# Altium PCB PCB1.PcbDoc
Units mm, origin at the board's own origin, x right, y up, seen from the top; angles counter-clockwise.
Board outline 20 x 51.12 mm, 2 copper layers (Top Layer, Bottom Layer); 35 components, 50 nets, 168 pads, 41 vias.
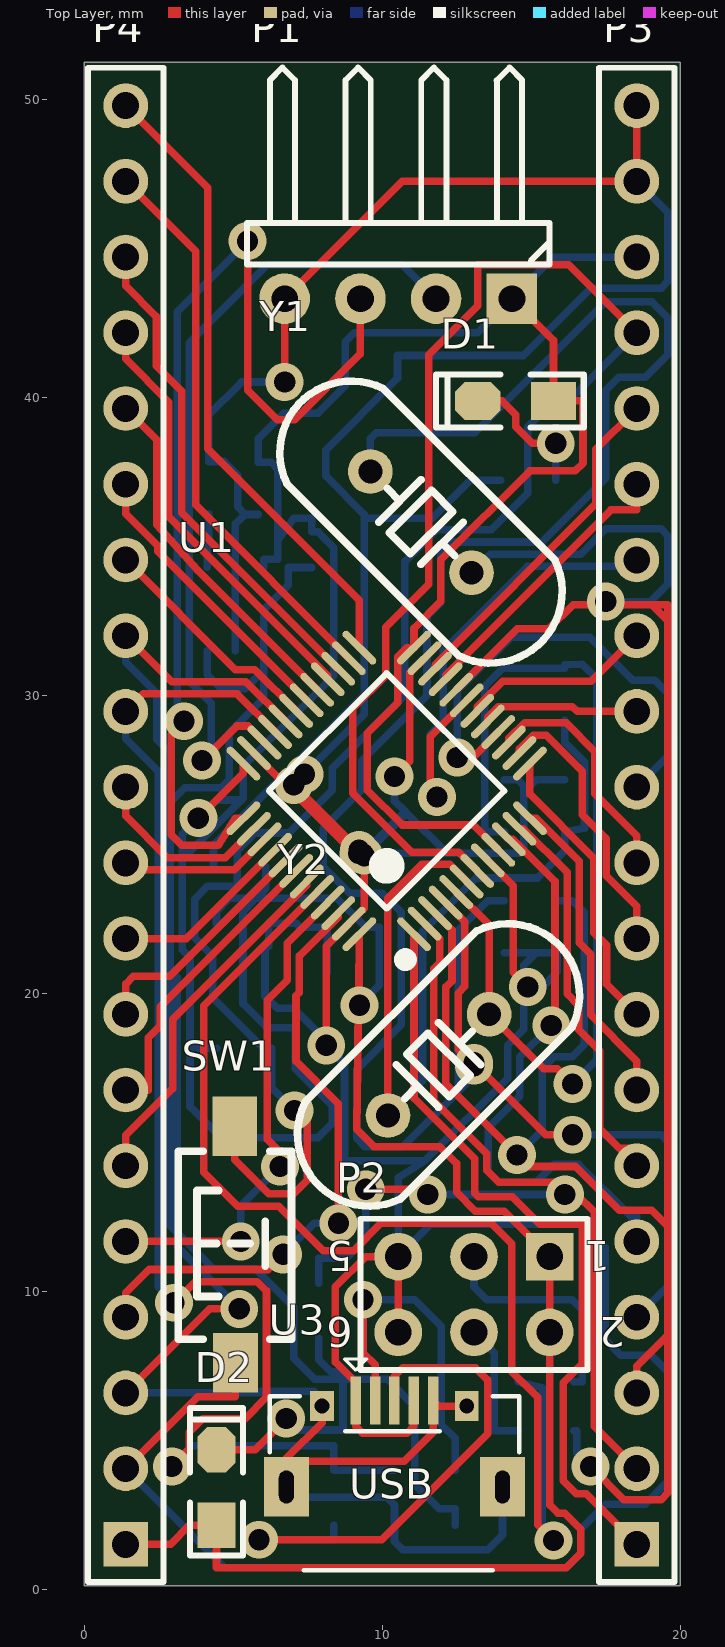
[diagram p0: Top Layer view]
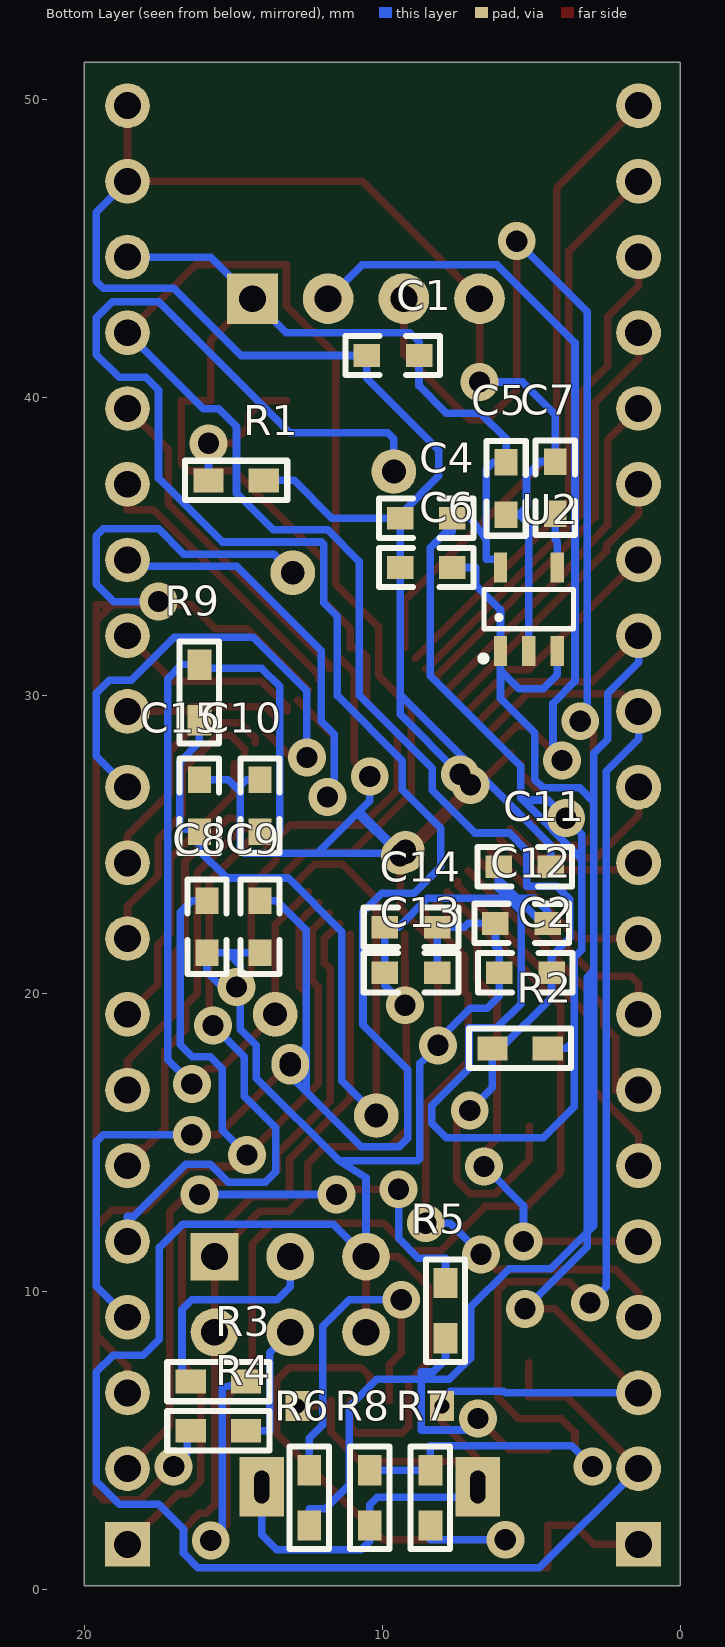
[diagram p1: Bottom Layer view, seen from below]

## Layer stack, top to bottom
Top Solder: solder mask 0.0102, Solder Resist, Dk 3.5
Top Layer: signal copper 0.0356
Dielectric 1: dielectric 0.32, FR-4, Dk 4.8
Bottom Layer: signal copper 0.0356
Bottom Solder: solder mask 0.0102, Solder Resist, Dk 3.5

## Board outline
0,0.127 20,0.127 20,51.247 0,51.247

## Design rules (kind name [scope] priority, off if disabled: settings)
Clearance [All] p1: gap=0.152 ignorepadtopadclearanceinfootprint=FALSE
HoleToHoleClearance [All] p1: gap=0.152 allowstackedmicrovias=TRUE
MinimumSolderMaskSliver [All] p1: minsoldermaskwidth=0
PolygonConnect [All] p1: connectstyle=Relief reliefconductorwidth=0.254 reliefentries=4 polygonreliefangle="90 Angle" airgapwidth=0.254
RoutingVias [All] p1: holewidth=0.711 width=1.27 viastyle="Through Hole" minholewidth=0.711 minwidth=1.27 maxholewidth=0.711 maxwidth=1.27
SilkToSilkClearance [All] p1: silktosilkclearance=0
SilkToSolderMaskClearance [IsPad] p1: minsilkscreentomaskgap=0 clearancetoexposedcopper=TRUE
SolderMaskExpansion [All] p1: expansion=0.102
Width [All] p1: maxlimit=0.254 minlimit=0.254 preferedwidth=0.254
26 further rules are at their usual default settings.

## Components (designator, comment, footprint, x,y, rotation, side; value= is the part's Value field where it differs from the comment)
C1 "105 C0603" "C 0603" 9.627,41.402 r180 bottom value=104
C2 "105 C0603" "C 0603" 5.182,20.701 r180 bottom value=104
C4 "105 C0603" "C 0603" 8.509,35.941 r180 bottom value=104
C5 "105 C0603" "C 0603" 5.842,36.957 r90 bottom value=104
C6 "105 C0603" "C 0603" 8.509,34.29 r180 bottom value=104
C7 "105 C0603" "C 0603" 4.191,36.957 r270 bottom value=104
C8 "22P,0603" "C 0603" 15.875,22.225 r270 bottom value=104
C9 "22P,0603" "C 0603" 14.097,22.225 r270 bottom value=104
C10 "22P,0603" "C 0603" 14.097,26.314 r90 bottom value=104
C11 "105 C0603" "C 0603" 5.232,24.257 r0 bottom value=104
C12 "105 C0603" "C 0603" 5.309,22.352 r180 bottom value=104
C13 "105 C0603" "C 0603" 9.042,20.701 r0 bottom value=104
C14 "105 C0603" "C 0603" 9.042,22.225 r0 bottom value=104
C15 "22P,0603" "C 0603" 16.129,26.314 r90 bottom value=104
D1 "LED" "LED 0805G" 14.478,39.878 r180 top
D2 "LED" "LED 0805G" 4.445,3.429 r90 top
P1 "SWD" HDR-1X4_H 14.351,43.307 r180 top
P2 "Header 3X2" HDR-3X2 15.621,11.176 r180 top
P3 "Header 20" HDR1X20 18.542,1.524 r90 top locked
P4 "Header 20" HDR1X20 1.397,1.524 r90 top locked
R1 "10K R0603" "R 0603" 14.897,37.211 r180 bottom
R2 "10K R0603" "R 0603" 5.372,18.161 r180 bottom
R3 "10K R0603" "R 0603" 15.494,6.985 r0 bottom
R4 "10K R0603" "R 0603" 15.494,5.334 r0 bottom
R5 "10K R0603" "R 0603" 7.874,9.36 r90 bottom
R6 "20R,0603" "R 0603" 12.446,3.086 r270 bottom
R7 "20R0603" "R 0603" 8.382,3.086 r90 bottom
R8 "4.7K,0603" "R 0603" 10.414,3.086 r90 bottom
R9 "1M0603" "R 0603" 16.129,30.099 r90 bottom
SW1 "SW-PB_V" "TSW SMD-3*6*2.5" 5.06,11.616 r90 top
U1 "stm32f103c8t6_48pin" "TQFP48 7x7_L" 10.153,26.797 r45 top
U2 "RT9193" SOT23-5L 5.08,32.893 r180 bottom
U3 "USB-mrico" USB-micro_B 10.414,3.45 r0 top
Y1 "32.768K" "XTAL-49S DIP" 11.303,35.814 r315 top
Y2 "8M" "XTAL-49S DIP" 11.892,17.607 r45 top

## Footprints (in the part's own frame and the unit in brackets; to place one, negate y for a bottom-side part, rotate by r counter-clockwise, add the part's x,y. Pads: shape width x height; smd on the part's side, far side on the other; paste and mask are expansions set on the pad)
"C 0603" [mil] "无极性贴片电容"
  rect 35x30 smd: 1(-35,0) 2(34,0)
  silkscreen extent -63,-26 62,26, body extent -31,-16 31,16, height 32
HDR1X20 [mm] "Connector; Header; 20 Position"
  rect 1.5x1.5 hole 0.9: 1(0,0)
  round 1.5 hole 0.9: 2(2.54,0) 3(5.08,0) 4(7.62,0) 5(10.16,0) 6(12.7,0) 7(15.24,0) 8(17.78,0) 9(20.32,0) 10(22.86,0) 11(25.4,0) 12(27.94,0) 13(30.48,0) 14(33.02,0) 15(35.56,0) 16(38.1,0) 17(40.64,0) 18(43.18,0) 19(45.72,0) 20(48.26,0)
  silkscreen extent -1.27,-1.27 49.53,1.27
HDR-1X4_H [mm] "弯脚排针，4脚"
  rect 1.7x1.7 hole 0.9: 1(0,0)
  round 1.7 hole 0.9: 2(2.54,0) 3(5.08,0) 4(7.62,0)
  silkscreen extent -1.27,-7.76 8.89,-1.14, body extent -1.27,-7.77 8.89,1.27, height 4.85
HDR-3X2 [mm] "双排排针，3x2脚"
  rect 1.6x1.6 hole 0.9: 1(0,0)
  round 1.6 hole 0.9: 2(0,2.54) 3(2.54,0) 4(2.54,2.54) 5(5.08,0) 6(5.08,2.54)
  silkscreen extent -1.27,-1.27 6.35,3.81, body extent -1.27,-1.27 6.35,3.81, height 8.5
"LED 0805G" [mil] "绿色0805LED"
  rect 60x50 smd: 1(-50,0)
  oct 60x50 smd: 2(50,0)
  silkscreen extent -90,-35 105,35, body extent -39,-25 39,25, height 32
"R 0603" [mil] "1/10W贴片电阻"
  rect 40x31.5 smd: 1(-36.5,0) 2(36.5,0)
  silkscreen extent -68,-26 68,26, body extent -31,-16 31,16, height 16
SOT23-5L [mm] "3x1.6x1.1mm(长宽高)"
  rect 0.45x1 smd: 1(-0.95,-1.4) 2(0,-1.4) 3(0.95,-1.4) 4(0.95,1.4) 5(-0.95,1.4)
  silkscreen extent -1.6,-1.73 1.5,0.66, body extent -1.5,-1.4 1.5,1.4, height 1.15
"TQFP48 7x7_L" [mm] "48脚，体宽：7x7mm, 脚距：0.5mm"
  oval 0.25x1.5 smd: 1(-2.75,-4.046) 2(-2.25,-4.046) 3(-1.75,-4.046) 4(-1.25,-4.046) 5(-0.75,-4.046) 6(-0.25,-4.046) 7(0.25,-4.046) 8(0.75,-4.046) 9(1.25,-4.046) 10(1.75,-4.046) 11(2.25,-4.046) 12(2.75,-4.046) 25(2.75,4.046) 26(2.25,4.046) 27(1.75,4.046) 28(1.25,4.046) 29(0.75,4.046) 30(0.25,4.046) 31(-0.25,4.046) 32(-0.75,4.046) 33(-1.25,4.046) 34(-1.75,4.046) 35(-2.25,4.046) 36(-2.75,4.046)
  oval 1.5x0.25 smd: 13(4.046,-2.75) 14(4.046,-2.25) 15(4.046,-1.75) 16(4.046,-1.25) 17(4.046,-0.75) 18(4.046,-0.25) 19(4.046,0.25) 20(4.046,0.75) 21(4.046,1.25) 22(4.046,1.75) 23(4.046,2.25) 24(4.046,2.75) 37(-4.046,2.75) 38(-4.046,2.25) 39(-4.046,1.75) 40(-4.046,1.25) 41(-4.046,0.75) 42(-4.046,0.25) 43(-4.046,-0.25) 44(-4.046,-0.75) 45(-4.046,-1.25) 46(-4.046,-1.75) 47(-4.046,-2.25) 48(-4.046,-2.75)
  silkscreen extent -3.68,-4.57 2.79,2.79, body extent -4.5,-4.5 4.5,4.5, height 1.05
"TSW SMD-3*6*2.5" [mm] "3*6*2.5mm"
  rect 2x1.5 smd: 1(-3.996,-0.02) 2(3.937,0)
  silkscreen extent -3.21,-1.9 3.09,1.9, body extent -4,-1.88 4,1.62, height 2.59
USB-micro_B [mm] "micro型USB ，5.7*7.8*2.5mm"
  rect 0.35x1.6 smd: 1(-1.3,2.9) 2(-0.65,2.9) 3(0,2.9) 4(0.65,2.9) 5(1.3,2.9)
  rect 1.5x2 hole 0.5 slot 1.1 at 90 deg: 5(-3.625,0) 5(3.625,0)
  rect 0.8x1 hole 0.5: 5(-2.425,2.71) 5(2.425,2.71)
  silkscreen extent -4.19,-2.79 4.19,4.3, body extent -4,-2.71 4,2.89, height 2.8
"XTAL-49S DIP" [mm]
  round 1.5 hole 0.8: 1(-2.4,0) 2(2.4,0)
  silkscreen extent -5.7,-2.28 5.7,2.28, body extent -5.68,-2.35 5.68,2.3, height 3.5

## Part data
C1 C2 C4 C5 C6 C7 C11 C12 C13 C14: library part Cap, LatestRevisionDate=17-Jul-2002, LatestRevisionNote="Re-released for DXP Platform.", Published=8-Jun-2000, Publisher="Altium Limited"
C8 C9 C10 C15: library part Cap, "Capacitor", LatestRevisionDate=17-Jul-2002, LatestRevisionNote="Re-released for DXP Platform.", Published=8-Jun-2000, Publisher="Altium Limited"
P1: library part "Header 4", "Header, 4-Pin", LatestRevisionDate=17-Jul-2002, LatestRevisionNote="Re-released for DXP Platform.", Publisher="Altium Limited"
P2: "Header, 3-Pin, Dual row", LatestRevisionDate=17-Jul-2002, LatestRevisionNote="Re-released for DXP Platform.", Publisher="Altium Limited"
P3 P4: "Header, 20-Pin", LatestRevisionDate=17-Jul-2002, LatestRevisionNote="Re-released for DXP Platform.", Publisher="Altium Limited"
R1 R2 R3 R4 R5: library part Res2, LatestRevisionDate=17-Jul-2002, LatestRevisionNote="Re-released for DXP Platform.", Published=8-Jun-2000, Publisher="Altium Limited"
R6 R7 R8 R9: library part Res2, "Resistor", LatestRevisionDate=17-Jul-2002, LatestRevisionNote="Re-released for DXP Platform.", Published=8-Jun-2000, Publisher="Altium Limited"
U2: library part RT9193X_5P, ICA_MFR_NAME=RICHTEK, ICA_PARTNUM=$$2191094$$RT9193-15CU5, Part Number=TMP-13
U3: library part usb-STM
Y1 Y2: library part XTAL, "Crystal Oscillator", LatestRevisionDate=17-Jul-2002, LatestRevisionNote="Re-released for DXP Platform.", Published=8-Jun-2000, Publisher="Altium Limited"

## Via types
v1: diameter 1.27, hole 0.711, Top Layer to Bottom Layer, 41 vias

## Nets (pads, with @x,y where several pads share a name; then routed paths per layer and width w, separated by ;. In a path a pad name is that pad's centre, name@x,y a point inside that pad or via, vN(x,y) a via of type N, cw(c..) or ccw(c..) an arc to the next point about the centre after c; other vN are vias at no path point)
5V: C6.2 P4.3 R8.1 U2.1 U2.3 U3.5 | length 65.9
  Top Layer w0.254: P4.3 4.216,9.423 v1(5.207,9.423) ; U3.5@6.789,3.45 U3.5@6.789,4.318 ; U3.5@7.989,6.16 7.989,5.611 6.789,4.411 U3.5@6.789,4.318 ; U3.5@12.839,6.16 11.904,6.16 11.714,6.35 11.714,5.283 10.749,4.318 U3.5@6.789,4.318
  Bottom Layer w0.254: P4.3 5.887,6.604 5.938,6.655 7.716,6.655 7.716,6.16 U3.5@7.989,6.16 ; U2.3 4.13,30.693 4.597,30.226 5.41,30.226 6.03,30.846 ; v1(5.207,9.423) 3.124,11.506 3.124,20.549 2.896,20.777 2.896,26.416 3.378,26.899 4.597,26.899 4.877,27.178 4.877,28.745 6.03,29.899 6.03,30.846 ; U3.5@6.789,3.45 6.789,3.099 10.16,3.099 10.414,2.845 R8.1 10.414,1.626 10.693,1.346 13.538,1.346 14.039,1.847 U3.5@14.039,3.45 ; C6.2 6.858,34.29 6.858,33.696 6.03,32.868 U2.1 6.03,30.846
BOOT0: R3.1 U1.44 | length 39.7
  Top Layer w0.254: U1.44 4.013,19.597 4.013,14.007 5.151,12.87 6.535,12.87 8.026,11.379 9.042,11.379 9.953,12.29 13.669,12.29 14.351,11.608 14.351,7.315 15.215,6.452 15.215,2.184 v1(15.748,1.651)
  Bottom Layer w0.254: R3.1 15.367,6.782 15.367,2.032 v1(15.748,1.651)
BOOT1: R4.2 U1.20 | length 42.4
  Top Layer w0.254: U1.20 14.528,32.233 15.596,32.233 16.408,33.045 19.05,33.045 19.583,32.512 19.583,3.251 19.355,3.023 18.11,3.023 v1(16.993,4.14)
  Bottom Layer w0.254: R4.2 16.535,5.334 16.535,4.597 v1(16.993,4.14)
GND: C1.1 C2.1 C4.1 C5.1 C6.1 C7.1 C8.2 C9.2 C10.2 C11.1 C12.1 C13.1 C14.1 C15.2 P1.4 P2.5 P2.6 P3.19 P3.20 P4.2 R1.2 SW1.1 U1.8 U1.23 U1.35 U1.47 U2.2 U3.1 U3.4 | length 209.3
  Top Layer w0.254: P4.2 3.81,6.477 5.08,6.477 SW1.1 ; U1.35 8.952,24.816 v1@9.093,24.816 ; v1(6.731,40.513) P1.4 10.668,47.244 P3.19 P3.20 ; v1(7.036,27) v1@7.391,26.645 ; v1(7.391,27.356) v1@7.391,26.645 ; v1(8.128,18.263) 8.128,18.415 8.128,21.59 U1.47 9.398,22.86 v1(9.398,24.625) ; v1(9.207,24.701) v1@9.093,24.816 ; v1(9.347,24.689) v1(9.22,24.816) ; v1(10.414,27.28) 10.93,27.796 10.93,30.756 U1.23 ; P2.6 P2.5 9.449,11.176 8.433,10.16 8.433,7.641 9.114,6.96 U3.1 9.114,5.486 9.343,5.258 10.835,5.258 11.064,5.486 U3.4 ; U1.8 14.392,23.619 14.392,20.711 v1(14.884,20.218) ; v1@7.391,26.645 v1(9.22,24.816) ; v1@7.391,26.645 7.391,26.518 v1@9.093,24.816 ; v1@9.093,24.816 v1(9.22,24.816)
  Bottom Layer w0.254: P4.2 4.724,0.737 16.18,0.737 16.662,1.219 16.662,2.032 17.501,2.87 18.821,2.87 19.583,3.632 19.583,7.315 19.025,7.874 18.009,7.874 17.475,8.407 17.475,11.481 16.688,12.268 11.633,12.268 P2.5 10.541,13.826 11.437,14.385 ; C11.1 4.343,24.968 9.398,30.023 ; U2.2 5.08,35.763 5.41,36.068 ; C5.1 5.41,36.068 ; v1(6.731,40.513) 5.283,40.513 4.191,39.421 C7.1 4.699,37.846 5.156,37.389 5.156,36.322 5.41,36.068 ; v1(7.036,27) v1(7.391,27.356) 9.398,29.362 9.398,30.023 ; v1(8.128,18.263) 8.738,17.653 8.738,14.453 8.806,14.385 11.437,14.385 ; v1@8.128,18.415 7.036,19.507 6.477,19.507 6.071,19.914 C2.1 6.071,21.463 6.198,21.59 C12.1 7.112,22.352 7.239,22.225 C14.1 C13.1 ; v1(9.207,24.701) v1@9.335,24.701 ; v1(9.22,24.816) v1@9.335,24.701 ; v1(9.347,24.689) v1@9.36,24.701 ; v1(9.398,24.625) v1@9.474,24.701 ; v1(10.414,27.28) 10.414,26.467 10.77,26.111 ; R1.2 12.954,37.211 11.684,35.941 C4.1 ; C9.2 15.164,21.361 ; C10.2 14.554,27.178 14.757,26.975 14.757,26.772 ; v1(14.884,20.218) v1@15.367,20.218 ; C15.2 15.164,27.178 14.757,26.772 ; P3.19 19.583,46.203 19.583,43.891 19.355,43.663 16.993,43.663 14.732,41.402 C1.1 10.516,40.64 8.103,38.227 8.103,37.363 9.398,36.068 C4.1 ; v1@9.335,24.701 9.347,24.701 v1@9.36,24.701 ; v1@9.36,24.701 9.398,24.701 v1@9.474,24.701 ; v1@9.36,24.701 10.77,26.111 ; 9.398,30.023 C6.1 C4.1 ; v1@9.474,24.701 10.827,26.054 ; v1@9.474,24.701 12.179,24.701 ; 10.77,26.111 10.827,26.054 ; 10.827,26.054 12.179,24.701 ; 11.437,14.385 14.215,17.163 14.215,18.265 14.757,18.807 v1@14.757,19.634 ; 12.179,24.701 14.629,24.701 14.757,24.83 14.757,26.772 ; v1@14.757,19.634 14.757,20.955 15.164,21.361 ; v1@14.757,19.634 14.961,19.837 14.986,19.837 v1@15.367,20.218 ; 15.164,21.361 15.342,21.361 C8.2 15.875,20.726 v1@15.367,20.218
NetC7_2: C7.2 U2.4 | length 1.8
  Bottom Layer w0.254: U2.4 4.13,35.154 4.191,35.215 C7.2
NetD1_2: D1.2 R1.1 | length 4.7
  Top Layer w0.254: D1.2 14.021,39.878 14.478,39.421 14.478,39.014 15.037,38.456 v1(15.824,38.456)
  Bottom Layer w0.254: R1.1 v1(15.824,38.456)
NetD2_2: D2.2 R5.1 | length 8.5
  Top Layer w0.254: D2.2 5.74,4.699 v1(6.782,5.74)
  Bottom Layer w0.254: v1(6.782,5.74) 7.163,5.359 8.687,5.359 8.687,7.315 8.28,7.315 7.874,7.722 R5.1
NetP2_3: P2.3 R3.2 | length 7.7
  Bottom Layer w0.254: P2.3 13.081,10.16 13.513,9.728 16.383,9.728 16.713,9.398 16.713,6.985 R3.2
NetP2_4: P2.4 R4.1 | length 4.4
  Bottom Layer w0.254: P2.4 13.767,7.95 13.767,5.334 R4.1
NetR6_1: R6.1 U3.2 | length 11.6
  Top Layer w0.254: v1(9.358,9.728) 9.358,7.95 9.764,7.544 U3.2
  Bottom Layer w0.254: v1(9.358,9.728) 11.1,9.728 11.989,8.839 11.989,5.537 12.446,5.08 R6.1
NetR7_1: R7.1 U3.3 | length 18.2
  Top Layer w0.254: v1(5.867,1.676) 9.982,1.676 13.538,5.232 13.538,7.036 13.132,7.442 10.693,7.442 10.414,7.163 U3.3
  Bottom Layer w0.254: v1(5.867,1.676) 8.382,1.676 R7.1
OSCIN: C10.1 R9.2 U1.5 Y2.2 | length 32.1
  Top Layer w0.254: U1.5 13.589,22.3 Y2.2 15.418,17.475 15.875,17.475 v1(16.383,16.967)
  Bottom Layer w0.254: C10.1 13.437,25.425 13.437,30.302 14.046,30.912 16.129,30.912 R9.2 16.713,31.039 17.196,30.556 17.196,17.78 v1(16.383,16.967)
OSCOUT: C15.1 R9.1 U1.6 Y2.1 | length 28.4
  Top Layer w0.254: Y2.1 10.195,23.2 11.328,24.333 12.263,24.333 U1.6
  Bottom Layer w0.254: Y2.1 11.354,17.069 11.354,22.073 13.157,23.876 15.215,23.876 16.129,24.79 C15.1 16.789,25.549 16.789,27.762 16.129,28.423 R9.1
PA0: P3.5 U1.10 | length 19.7
  Top Layer w0.254: U1.10 14.387,25.174 15.799,23.761 15.799,19.279 15.672,19.152 v1(15.672,18.923)
  Bottom Layer w0.254: v1(15.672,18.923) 14.622,17.873 14.622,16.552 13.564,15.494 13.564,14.021 13.919,13.665 15.164,13.665 15.773,14.275 16.586,14.275 18.339,12.522 18.542,12.522 P3.5
PA1: P3.6 U1.11 | length 13.4
  Top Layer w0.254: U1.11 14.74,25.527 16.205,24.062 16.205,19.99 16.586,19.609 16.586,18.796 17.297,18.085 17.297,15.469 17.958,14.808 18.542,14.808 P3.6
PA2: P3.7 U1.12 | length 10.7
  Top Layer w0.254: U1.12 15.164,25.881 16.612,24.433 16.612,21.7 16.993,21.319 16.993,19.285 18.542,17.735 P3.7
PA3: P3.8 U1.13 | length 9.9
  Top Layer w0.254: U1.13 14.959,26.694 17.106,24.546 17.106,22.033 17.527,21.613 17.527,20.319 P3.8
PA4: P3.9 U1.14 | length 9.3
  Top Layer w0.254: U1.14 14.605,28.202 15.072,28.669 15.502,28.669 16.713,27.457 16.713,25.996 17.513,25.197 17.513,23.958 18.542,22.928 P3.9
PA5: P3.10 U1.15 | length 8
  Top Layer w0.254: U1.15 14.251,28.556 14.779,29.083 16.169,29.083 17.133,28.119 17.133,26.695 18.542,25.286 P3.10
PA6: P3.11 U1.16 | length 16.1
  Top Layer w0.254: v1(12.522,27.915) 13.038,27.915 U1.16
  Bottom Layer w0.254: v1(12.522,27.915) 12.522,30.15 14.326,31.953 16.967,31.953 18.415,30.505 19.152,30.505 19.583,30.074 19.583,27.965 P3.11
PA7: P3.12 U1.17 | length 5.3
  Top Layer w0.254: U1.17 13.544,29.263 13.902,29.621 16.383,29.621 16.54,29.464 P3.12
PA8: P4.16 U1.29 | length 12.1
  Top Layer w0.254: P4.16 2.438,38.583 2.438,35.726 3.807,34.203 U1.29
PA9: P4.15 U1.30 | length 9.8
  Top Layer w0.254: P4.15 1.397,36.093 2.474,35.016 2.474,34.83 U1.30
PA10: P4.14 U1.31 | length 7.8
  Top Layer w0.254: P4.14 5.078,30.863 5.733,30.863 U1.31
PA11: P4.13 R6.2 U1.32 | length 43.5
  Top Layer w0.254: P4.13 2.944,30.457 5.433,30.457 U1.32
  Bottom Layer w0.254: P4.13 1.397,31.115 2.438,30.074 2.438,28.524 2.896,28.067 2.896,12.217 4.343,10.77 5.74,10.77 7.036,9.474 7.036,7.772 7.747,7.061 10.185,7.061 11.1,6.147 11.1,3.531 11.913,2.718 12.446,2.718 R6.2
PA12: P4.12 R7.2 R8.2 U1.33 | length 46.4
  Top Layer w0.254: P4.12 1.983,30.05 5.132,30.05 U1.33 ; v1(2.946,4.14) 3.531,4.724 3.531,5.283 3.988,5.74 5.41,5.74 6.121,6.452 6.121,10.033 5.817,10.338 3.734,10.338 v1(3.023,9.627)
  Bottom Layer w0.254: P4.12 1.397,28.55 2.489,27.457 2.489,10.16 v1(3.023,9.627) ; v1(2.946,4.14) 3.632,4.826 8.382,4.826 R7.2 R8.2
PA15: P4.11 U1.38 | length 6.2
  Top Layer w0.254: P4.11 1.397,25.959 2.794,24.562 4.736,24.562 U1.38
PB0: P3.13 U1.18 | length 6.5
  Top Layer w0.254: U1.18 13.191,29.616 14.054,30.48 17.018,30.48 P3.13
PB1: P3.14 U1.19 | length 16.8
  Top Layer w0.254: v1(11.836,26.594) 11.608,26.822 11.608,28.605 U1.19
  Bottom Layer w0.254: v1(11.836,26.594) 11.608,26.822 11.608,28.702 12.044,29.138 12.044,31.5 14.877,34.334 18.332,34.334 P3.14
PB3: P4.10 U1.39 | length 5.3
  Top Layer w0.254: P4.10 1.397,24.155 5.037,24.155 U1.39
PB4: P4.9 U1.40 | length 6.2
  Top Layer w0.254: P4.9 3.432,21.844 U1.40
PB5: P4.8 U1.41 | length 8.1
  Top Layer w0.254: P4.8 1.397,20.32 1.651,20.574 2.869,20.574 U1.41
PB6: P4.7 U1.42 | length 10.2
  Top Layer w0.254: P4.7 2.159,16.764 2.159,18.514 2.56,18.915 2.56,19.558 U1.42
PB7: P4.6 U1.43 | length 12.1
  Top Layer w0.254: P4.6 1.397,15.24 2.972,16.815 2.972,19.13 7.469,23.627 U1.43
PB8: P4.5 U1.45 | length 16.8
  Top Layer w0.254: P4.5 v1(5.258,11.684) ; v1(6.579,14.199) 6.579,14.676 6.147,15.107 6.147,19.773 6.816,20.442 6.816,21.692 U1.45
  Bottom Layer w0.254: v1(5.258,11.684) 5.258,12.878 v1(6.579,14.199)
PB9: P4.4 U1.46 | length 20.5
  Top Layer w0.254: P4.4 1.397,9.957 2.184,10.744 6.172,10.744 v1(6.68,11.252) ; U1.46 8.53,22.566 7.222,21.259 7.222,20.036 7.112,19.926 7.112,17.729 8.534,16.307 v1(8.534,12.294)
  Bottom Layer w0.254: v1(6.68,11.252) 7.722,12.294 v1(8.534,12.294)
PB10: P3.15 U1.21 | length 9.7
  Top Layer w0.254: U1.21 12.13,30.677 17.678,36.225 18.542,36.225 P3.15
PB11: P3.16 U1.22 | length 11.5
  Top Layer w0.254: U1.22 11.777,31.031 17.17,36.424 17.17,38.252 P3.16
PB12: P4.20 U1.25 | length 21.4
  Top Layer w0.254: P4.20 4.148,47.033 4.148,38.276 9.237,33.187 U1.25
PB13: P4.19 U1.26 | length 19.1
  Top Layer w0.254: P4.19 3.742,44.899 3.742,36.39 U1.26
PB14: P4.18 U1.27 | length 16.8
  Top Layer w0.254: P4.18 1.397,43.739 2.426,42.709 2.426,41.06 3.281,40.205 3.281,36.124 8.509,30.895 U1.27
PB15: P4.17 U1.28 | length 14.4
  Top Layer w0.254: P4.17 1.397,41.288 2.845,39.841 2.845,35.985 8.176,30.654 U1.28
PC13: P3.2 R5.2 U1.2 | length 34.2
  Top Layer w0.254: v1(9.449,13.437) 11.354,13.437 v1(11.532,13.259) ; U1.2 11.938,21.83 11.938,21.031 11.735,20.828 11.735,16.399 13.513,14.621 13.513,14.072 13.919,13.665 16.129,13.665 v1@16.535,13.259 ; v1(16.129,13.259) v1@16.535,13.259 ; P3.2 17.12,5.486 17.12,12.675 v1@16.535,13.259
  Bottom Layer w0.254: R5.2 7.874,11.125 8.788,11.125 9.449,11.786 v1(9.449,13.437) ; v1(11.532,13.259) v1(16.129,13.259)
PC14: C8.1 P3.3 U1.3 Y1.2 | length 66.2
  Top Layer w0.254: U1.3 12.344,22.131 12.344,20.422 12.141,20.218 12.141,16.967 v1(14.529,14.58) 14.91,14.199 16.485,14.199 17.958,12.725 19.05,12.725 19.583,12.192 ; v1(17.501,33.147) 17.602,33.045 19.583,33.045 19.583,12.192 ; P3.3 18.542,7.493 19.583,8.534 19.583,12.192
  Bottom Layer w0.254: Y1.2 13.623,34.74 16.655,34.74 17.501,35.585 19.355,35.585 19.583,35.357 19.583,33.731 18.999,33.147 v1(17.501,33.147) ; v1(14.529,14.58) 15.367,15.418 15.367,17.475 15.773,17.882 16.37,17.882 16.776,18.288 16.776,22.721 16.383,23.114 C8.1
PC15: C9.1 P3.4 U1.4 Y1.1 | length 83.8
  Top Layer w0.254: U1.4 12.776,22.406 12.776,20.244 12.548,20.015 12.548,18.11 v1(13.081,17.577) ; v1(13.081,17.678) 15.494,15.265 v1(16.383,15.265)
  Bottom Layer w0.254: Y1.1 9.606,38.608 9.809,38.811 13.106,38.811 17.501,43.205 19.05,43.205 19.583,42.672 19.583,41.427 18.821,40.665 17.932,40.665 17.501,40.234 17.501,37.28 15.367,35.146 12.04,35.146 11.963,35.07 11.963,33.105 11.506,32.648 11.506,29.997 9.322,27.813 9.322,26.84 8.026,25.544 8.026,24.257 8.915,23.368 10.008,23.368 10.643,22.733 10.643,18.948 9.144,17.45 9.144,15.139 9.423,14.859 10.693,14.859 12.548,16.714 ; v1(13.081,17.577) 13.081,17.247 12.548,16.714 ; v1(13.081,17.678) 12.548,18.212 ; C9.1 13.538,23.114 12.548,22.123 12.548,18.212 ; v1(16.383,15.265) 19.355,15.265 19.583,15.037 19.583,10.185 P3.4 ; 12.548,16.714 12.548,18.212
RESET: C2.2 P3.17 R2.1 SW1.2 U1.7 | length 74.3
  Top Layer w0.254: SW1.2 5.06,14.422 6.198,13.284 7.036,13.284 7.493,13.741 7.493,15.824 7.239,16.078 v1(7.061,16.078) ; U1.7 12.564,24.74 10.998,24.74 9.017,26.721 9.017,29.566 10.117,30.667 10.117,32.292 11.557,33.731 11.557,41.427 13.208,43.078 13.208,44.45 16.256,44.45 P3.17
  Bottom Layer w0.254: v1(7.061,16.078) 6.299,16.84 R2.1 6.02,18.161 4.318,19.863 C2.2 4.318,21.258 3.708,21.867 3.708,23.165 4.14,23.597 5.142,23.597 5.142,24.79 5.737,25.386 6.887,25.386 8.323,26.822 8.323,27.557 10.766,30 10.766,34.491 11.828,35.553 13.658,35.553 14.884,36.779 14.884,39.014 15.487,39.617 15.995,39.617 P3.17
SWDCLK: P1.3 U1.37 | length 36.2
  Top Layer w0.254: v1(3.353,29.134) 2.921,28.702 2.921,25.324 3.277,24.968 4.496,24.968 5.078,25.881 U1.37 ; v1(5.486,45.237) 5.486,40.234 6.477,39.243 7.061,39.243 9.271,41.453 P1.3
  Bottom Layer w0.254: v1(3.353,29.134) 3.124,29.362 3.124,42.875 v1(5.486,45.237)
SWDIO: P1.2 U1.34 | length 27.1
  Top Layer w0.254: v1(3.962,27.813) 5.122,28.973 5.502,28.973 U1.34
  Bottom Layer w0.254: v1(3.962,27.813) 3.962,27.917 4.267,28.222 4.267,29.743 3.531,30.48 3.531,41.834 6.147,44.45 10.668,44.45 P1.2
VBAT: P3.1 U1.1 | length 25.8
  Top Layer w0.254: U1.1 11.069,16.49 13.106,14.453 13.106,13.31 13.226,13.19 14.369,13.19 15.291,12.268 16.713,12.268 16.713,7.583 16.078,6.948 16.078,3.658 16.51,3.226 16.84,3.226 P3.1
VCC3V3: C1.2 C4.2 C5.2 C11.2 C12.2 C13.2 C14.2 D1.1 D2.1 P1.1 P2.1 P2.2 P3.18 P4.1 R2.2 U1.9 U1.24 U1.36 U1.48 U2.5 | length 154.8
  Top Layer w0.254: P4.1 2.902,1.524 3.537,2.159 D2.1 4.445,0.748 4.457,0.737 16.18,0.737 16.662,1.219 16.662,2.032 16.129,2.565 15.9,2.565 15.621,2.845 P2.2 P2.1 14.1,12.697 13.132,12.697 12.498,13.33 12.498,14.299 11.938,14.859 9.728,14.859 9.144,15.443 9.208,19.609 9.237,21.488 ; v1(3.835,25.883) 5.348,27.395 U1.36 ; v1(9.237,19.609) 9.237,21.488 ; U1.48 9.237,21.488 ; U1.9 13.064,25.654 10.668,25.654 9.5,26.822 9.5,28.727 10.524,29.752 10.524,31.293 10.833,31.603 U1.24 11.069,32.258 11.963,33.152 11.963,34.544 14.961,37.541 16.485,37.541 16.739,37.795 16.739,39.878 D1.1 15.748,41.91 P1.1
  Bottom Layer w0.254: R2.2 3.816,18.161 3.556,18.421 ; U2.5 6.03,34.569 6.502,34.569 6.502,35.214 ; C11.2 6.096,23.812 ; v1(9.237,19.609) 9.906,20.278 C13.2 C14.2 9.446,22.225 8.481,23.19 5.766,23.19 ; P3.18 15.748,44.704 P1.1 13.208,42.164 9.068,42.164 8.763,41.859 C1.2 8.763,40.386 7.849,39.472 6.706,39.472 5.842,38.608 C5.2 6.274,37.821 6.502,37.592 6.502,35.214 ; 3.302,24.511 5.283,26.492 ; 3.302,24.511 3.302,25.349 v1(3.835,25.883) 4.445,26.492 5.283,26.492 ; 3.302,24.511 3.302,21.463 3.554,21.211 ; 3.554,21.211 3.556,21.209 3.556,18.421 ; 3.554,21.211 3.554,18.423 3.556,18.421 ; 3.556,18.421 3.556,16.205 4.597,15.164 7.849,15.164 8.331,15.646 8.331,16.231 7.087,17.475 7.087,18.847 6.147,18.847 5.334,19.66 5.334,22.758 5.766,23.19 ; 5.283,26.492 5.345,26.554 5.345,27.621 8.382,30.658 8.382,34.95 7.849,35.484 7.645,35.484 C4.2 7.036,35.941 6.502,35.214 ; 5.474,23.19 5.766,23.19 ; 5.474,23.19 4.877,23.19 4.445,22.758 C12.2 4.635,22.352 5.474,23.19 ; 5.474,23.19 6.096,23.812 ; 5.766,23.19 6.096,23.52 6.096,23.812

## Silkscreen, mask and mechanical layers (free items; w line width, h text height)
Mechanical 1:
  lines w0.254: 20,0.127 0,0.127 0,50.932 0,51.247 20,51.247

## Text inside footprints (layer, text, board x,y; h text height)
P2: Top Overlay "1" at 17.653,11.684 h1 r180; Top Overlay "2" at 18.161,9.144 h1 r180; Top Overlay "5" at 9.017,11.684 h1 r180; Top Overlay "6" at 9.017,9.144 h1 r180
U3: Top Overlay "USB" at 8.89,3.048 h1